# KiCad board AnalogFNN.kicad_pcb (continued)
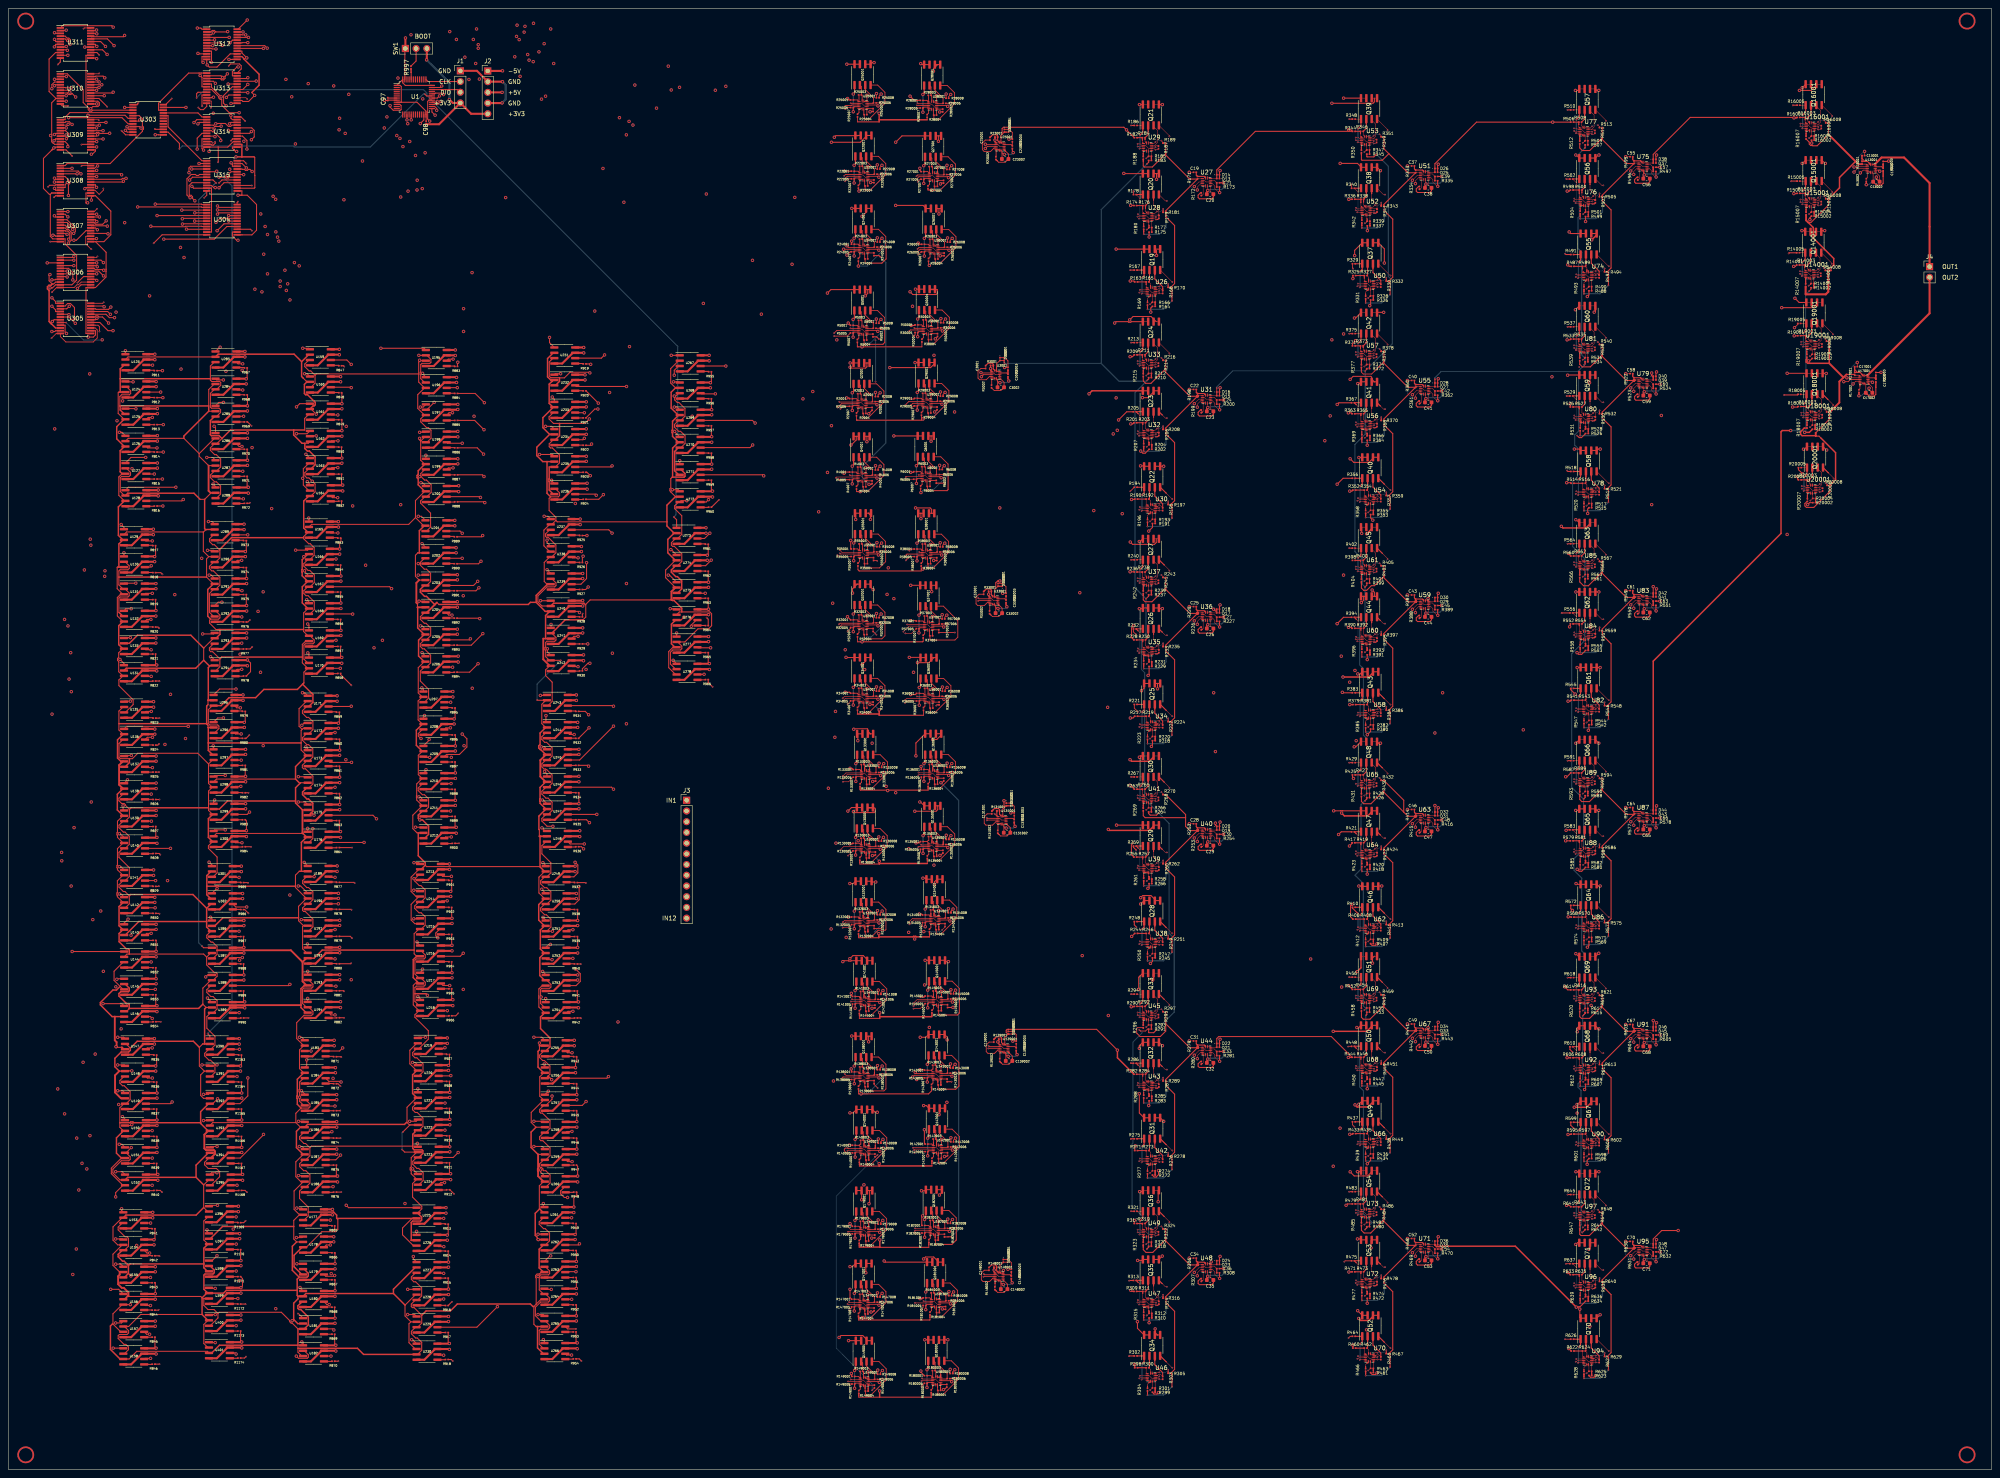
[diagram p0: board, top side]
## Routing (per net, layer and track width the routed paths; a pad name or vN(x,y) marks a point on that pad's centre or on a via; arc(x,y) is an arc through that point) (continued)
/CS: length 67.4
  Top w0.25: U1.10 92.76,323.75 93.06,323.45 93.06,322.5 92.91,322.35 91.21,322.35 90.44,323.12 v1(90.44,323.46) ; v2(30.81,324.16) 30.62,323.97 30.62,323.68 U303.1
  In2.Cu w0.25: v2(30.81,324.16) 31.24,324.59 56.1,324.59 57.23,323.46 v1(90.44,323.46)
/InNeuron_1/Adder3/SUM_IN: length 180.8
  Top w0.2: R28007.2 217.73,320.09 ; v1(223.66,291.98) 223.18,291.5 R26008.2 ; v1(206.83,326.2) 206.35,325.72 R25008.2 ; v1(223.33,326.1) 222.85,325.62 R28008.2 ; R25007.2 201.23,319.6 ; v1(223.53,309.2) 223.05,308.72 R27008.2 ; R27007.2 217.93,303.44 ; R22008.2 206.55,308.82 v1(207.03,309.3) ; v1(207.03,292) 206.55,291.52 R24008.2 ; R26007.2 218.06,285.56 ; R22007.2 201.43,303.19 ; R24007.2 v1(201.43,285.4)
  Top w0.25: 233.81,315.78 R23001.1 233.81,315.78 ; 233.81,315.78 v1(233.81,315.28) 233.81,314.87 234.05,314.62 ; v1(218.71,303.44) 217.93,303.44 ; v1(201.58,303.19) 201.43,303.19 ; v1(218.25,285.56) 218.06,285.56 ; 234.05,314.62 234.08,314.62 ; 234.05,314.62 U23001.1 ; 206.36,319.6 201.23,319.6
  Top w0.35: 206.36,320.09 v1(206.36,321.64) ; 206.36,320.09 217.73,320.09 ; 206.36,320.09 206.36,319.6
  In1.Cu w0.25: v1(223.66,291.98) 224.17,292.48 224.17,308.56 v1(223.53,309.2) 223.98,309.65 223.98,325.45 v1(223.33,326.1)
  In2.Cu w0.25: v1(233.81,315.28) 233.81,314.7 228.31,309.2 v1(223.53,309.2) 222.59,308.26 216.48,308.26 216.24,308.02 215.76,308.02 215.52,308.26 208.07,308.26 v1(207.03,309.3)
  In3.Cu w0.25: v1(207.03,309.3) 207.46,309.73 207.46,325.57 v1(206.83,326.2)
  In4.Cu w0.25: v1(207.03,292) 207.99,291.04 215.01,291.04 215.05,291.08 215.39,291.42 215.86,291.42 216.24,291.04 222.73,291.04 v1(223.66,291.98)
  Bottom w0.2: 224.36,289.57 221.14,286.35 ; 207.73,306.9 204.5,303.68 ; v1(206.83,326.2) 207.53,325.5 ; v1(223.66,291.98) 224.36,291.27 ; v1(223.53,309.2) 224.23,308.5 ; 224.23,306.8 221.18,303.76 ; 207.53,323.8 205.78,322.06 ; v1(207.03,292) 207.73,291.3 207.73,289.6 203.53,285.4 v1(201.43,285.4) ; v1(207.03,309.3) 207.73,308.6
  Bottom w0.25: v1(206.36,321.64) 206.2,321.64 205.78,322.06 ; v1(218.25,285.56) 219.05,286.35 221.14,286.35 ; 224.36,289.57 224.36,291.27 ; 224.23,308.5 224.23,306.8 ; 207.53,325.5 207.53,323.8 ; 207.73,308.6 207.73,306.9 ; 221.18,303.76 219.03,303.76 v1(218.71,303.44) ; 204.5,303.68 202.07,303.68 v1(201.58,303.19)
/InNeuron_1/OUT: length 305.1
  Top w0.2: U23001.12 235.38,314.6 U23001.13 235.23,316.38 D23001.2 D23002.1
  Top w0.25: R182.1 v1(264.98,317.7) 264.36,318.32 235.81,318.32 235.5,318.01 235.5,316.65 ; v1(265.79,162.3) 265.89,162.3 R263.1 ; 235.3,314.68 U23001.13 ; v1(265.84,263.92) 266.41,263.92 R209.1 ; v1(265.84,212.9) 266.79,212.9 ; v1(266.1,109.75) 266.74,109.75 R290.1 ; 236.53,317.18 D23001.2 ; 266.83,58.35 v1(266.83,59.09)
  In1.Cu w0.25: v1(265.84,212.9) 264.99,213.74 264.99,263.08 v1(265.84,263.92) ; v1(266.1,109.75) 266.71,109.15 266.71,77.22 266.48,76.99 266.48,76.52 266.83,76.17 v1(266.83,59.09)
  In3.Cu w0.25: 265.52,162.3 265.24,162.57 265.24,212.3 v1(265.84,212.9)
  In3.Cu w0.35: 265.52,162.3 265.59,162.3 ; 265.59,162.3 v1(265.79,162.3) ; 265.59,162.3 265.59,126.7 265.58,126.69 265.58,126.17 265.59,126.16 265.59,110.27 v1(266.1,109.75)
  In5.Cu w0.25: v1(264.98,317.7) 264.98,264.77 v1(265.84,263.92)
/InNeuron_2/Adder3/SUM_IN: length 185.5
  Top w0.2: v1(206.59,255.35) 206.11,254.87 R2008.2 ; R30008.2 221.61,272.37 v1(222.09,272.85) ; R5007.2 201.19,266.15 ; R2007.2 200.99,248.75 ; v1(206.79,272.75) 206.31,272.27 R5008.2 ; v1(206.59,237.95) 206.11,237.47 R4008.2 ; 216.39,248.85 R29007.2 ; R30007.2 216.49,266.25 ; R4007.2 200.99,231.92 ; v1(221.99,255.45) 221.51,254.97 R29008.2 ; R6007.2 216.19,231.7 ; R6008.2 221.31,237.57 v1(221.79,238.05)
  Top w0.25: 201.19,266.43 201.37,266.25 v1(202.3,266.25) 216.49,266.25 ; v1(216.26,231.7) 216.19,231.7 ; v1(201.87,231.92) 200.99,231.92 ; v1(216.74,249.13) 216.51,249.36 216.39,249.36 ; 232.77,261.63 R3001.1 232.77,261.63 ; 232.77,261.63 v1(232.77,261.06) 232.77,260.72 233.01,260.48 233.04,260.48 U3001.1 ; 216.39,248.85 201.16,248.85 200.99,249.03
  In1.Cu w0.25: v1(221.79,238.05) 220.6,239.24 220.6,254.06 v1(221.99,255.45) ; v2(205.5,267.8) 205.33,267.97 205.33,271.29 v1(206.79,272.75) ; v2(205.5,258) 205.41,257.91 205.41,256.53 v1(206.59,255.35)
  In2.Cu w0.25: v1(206.59,255.35) 207.42,254.52 221.06,254.52 v1(221.99,255.45) 227.86,255.45 232.77,260.36 v1(232.77,261.06)
  In4.Cu w0.25: v1(206.79,272.75) 207.62,271.92 221.16,271.92 v1(222.09,272.85) ; v1(206.59,237.95) 207.42,237.12 220.86,237.12 v1(221.79,238.05)
  Bottom w0.2: v1(206.59,237.95) 207.29,237.25 ; 207.49,270.35 204.26,267.12 ; 222.49,235.65 219.26,232.43 ; 207.29,235.55 204.06,232.32 ; 222.69,253.05 219.47,249.82 ; v1(221.79,238.05) 222.49,237.35 ; v1(221.99,255.45) 222.69,254.75 ; v1(206.79,272.75) 207.49,272.05
  Bottom w0.25: v1(216.26,231.7) 216.99,232.43 219.26,232.43 ; 207.49,272.05 207.49,270.35 ; v1(216.74,249.13) 217.44,249.82 219.47,249.82 ; v1(201.87,231.92) 202.28,232.32 204.06,232.32 ; 222.49,237.35 222.49,235.65 ; 222.69,254.75 222.69,253.05 ; 204.26,267.12 203.18,267.12 v1(202.3,266.25) ; 207.29,237.25 207.29,235.55 ; v2(205.5,267.8) v2(205.5,258)
/InNeuron_2/OUT: length 322.8
  Top w0.2: D3002.1 D3001.2 234.19,262.23 U3001.13 234.34,260.45 234.94,260.45 ; v2(268,104.3) 268.3,104 269.5,104 269.95,104.45 R291.1
  Top w0.25: R318.1 270.24,52.74 v2(269.8,52.3) ; R264.1 270.24,155.56 270.6,155.2 272.1,155.2 v2(272.6,155.7) ; v2(269.9,258.3) 270.24,258.64 R210.1 ; R291.1 270.24,103.66 270.3,103.6 271.42,103.6 v2(272.1,104.28) ; 234.94,260.45 U3001.12 ; U3001.13 234.19,261.41 234.19,261.42 ; D3002.1 235.99,262.41 v2(236.1,262.3) ; R237.1 270.24,207.14 v2(269.6,206.5) ; R183.1 270.24,310.04 v2(269.8,309.6)
  Bottom w0.2: v2(268,104.3) 268.72,103.58 266.5,101.36 266.5,77.4 266.3,77.2 266.3,62.5 270.2,58.6 270.2,52.7 v2(269.8,52.3)
  Bottom w0.25: 259,262.3 259,298.8 v2(269.8,309.6) ; 259,262.3 263.2,258.1 269.7,258.1 v2(269.9,258.3) 267,255.4 267,209.1 v2(269.6,206.5) 269.6,198.2 268.53,197.13 268.53,189.73 269.27,188.99 269.27,159.03 v2(272.6,155.7) 275.08,153.22 275.08,127.17 276.28,125.97 276.28,108.46 v2(272.1,104.28) ; 259,262.3 v2(236.1,262.3)
/InNeuron_3/Adder3/SUM_IN: length 185.1
  Top w0.2: R37007.2 216.8,196.44 ; v1(222.4,202.62) 221.92,202.15 R37008.2 ; R34007.2 201.23,179.18 ; R32007.2 201.23,196.3 ; R38008.2 221.45,219.22 v1(221.93,219.7) ; R35007.2 201.33,213.4 ; R35008.2 206.45,219.25 v1(206.93,219.72) ; R36007.2 216.86,178.88 ; v1(206.83,202.9) 206.35,202.42 R32008.2 ; v1(222.46,185.47) 221.98,185 R36008.2 ; R38007.2 216.33,213.1 ; R34008.2 206.35,185.02 v1(206.83,185.5)
  Top w0.25: 216.33,213.1 201.63,213.1 201.33,213.4 ; 232.55,206.93 232.31,207.17 v1(232.31,207.59) 232.31,208.08 ; 232.55,206.93 U33001.1 ; 232.55,206.93 232.58,206.93 ; 201.23,196.3 v1(202.3,196.3) 216.66,196.3 216.8,196.44 ; 232.31,208.08 R33001.1 232.31,208.08 ; v1(216.71,213.55) 216.33,213.55 ; 216.86,178.88 206.36,178.88
  Top w0.35: 206.36,179.18 v1(206.36,180.16) ; 206.36,179.18 206.36,178.88 ; 206.36,179.18 201.23,179.18
  In1.Cu w0.25: v1(206.93,219.72) 207.58,219.08 207.58,203.65 v1(206.83,202.9)
  In2.Cu w0.25: v1(206.83,185.5) 207.79,184.54 221.53,184.54 v1(222.46,185.47) ; v1(206.83,202.9) 208.08,201.65 213.32,201.65 213.56,201.89 214.04,201.89 214.28,201.65 221.42,201.65 v1(222.4,202.62) 227.34,202.62 v1(232.31,207.59)
  In4.Cu w0.25: v1(221.93,219.7) 220.99,218.76 214.46,218.76 213.5,219.72 v1(206.93,219.72)
  In5.Cu w0.25: v1(222.46,185.47) 223.08,186.09 223.08,201.94 v1(222.4,202.62)
  Bottom w0.2: v1(221.93,219.7) 222.63,219 ; 222.63,217.3 219.58,214.26 ; 207.53,200.5 204.48,197.46 ; v1(206.83,202.9) 207.53,202.2 ; v1(206.83,185.5) 207.53,184.8 ; 207.53,183.1 205.47,181.05
  Bottom w0.25: v1(206.36,180.16) 205.47,181.05 ; v1(216.71,213.55) 217.41,214.26 219.58,214.26 ; 207.53,202.2 207.53,200.5 ; 207.53,184.8 207.53,183.1 ; 222.63,219 222.63,217.3 ; v1(202.3,196.3) 203.46,197.46 204.48,197.46
/InNeuron_3/OUT: length 323
  Top w0.2: D33002.1 D33001.2 233.73,208.68 U33001.13 233.88,206.9 U33001.12
  Top w0.25: 233.8,206.97 U33001.13 ; v1(266.2,126.43) 266.22,126.43 R244.1 ; 234,208.95 234,210.3 234.43,210.72 v1(234.96,210.72) ; 235.03,209.48 D33001.2 ; R271.1 266.94,76.63 v1(267.06,76.76) ; R217.1 266.52,178.24 v1(265.89,178.24) ; v1(266.18,230.05) 266.83,230.05 R190.1 ; R298.1 v1(266.94,24.88) ; v1(265.87,281.85) 266.73,281.85 R163.1
  In1.Cu w0.25: v1(266.18,230.05) 265.34,230.88 265.34,248.99 266.5,250.15 266.5,281.23 v1(265.87,281.85) ; v1(267.06,76.76) 267.06,125.57 v1(266.2,126.43) 265.87,126.76 265.87,149.87 266.52,150.52 266.52,177.6 v1(265.89,178.24) ; v1(234.96,210.72) v1(234.96,228.05)
  In2.Cu w0.25: v1(234.96,228.05) 264.19,228.05 v1(266.18,230.05)
  In3.Cu w0.25: v1(266.18,230.05) 266.5,229.72 266.5,201.29 265.89,200.67 v1(265.89,178.24)
  In5.Cu w0.25: v1(267.06,76.76) 267.5,76.32 267.5,58.76 266.94,58.2 v1(266.94,24.88)
/InNeuron_4/Adder3/SUM_IN: length 179.8
  Top w0.2: R134007.2 218.27,126.32 ; 217.77,143.72 R135007.2 ; R132008.2 206.59,131.97 v1(207.07,132.45) ; R130008.2 206.89,149.44 v1(207.37,149.93) ; v1(223.37,150.32) 222.89,149.84 R135008.2 ; R132007.2 201.47,126.12 ; R130007.2 201.77,143.6 ; R134008.2 223.39,132.44 v1(223.87,132.93) ; R136007.2 217.97,161.12 ; 201.84,161.2 R133007.2 ; v1(223.57,167.43) 223.09,166.94 R136008.2 ; R133008.2 206.96,166.92 v1(207.44,167.4) ; v2(233.7,155.53) 234.13,155.09 234.25,155.09
  Top w0.25: 201.84,161.39 R133007.2 ; 234.25,156 R131001.1 234.25,156 ; 234.25,156 234.25,155.09 234.49,154.85 ; 201.84,161.2 201.92,161.12 217.97,161.12 ; 206.96,166.71 R133008.2 ; 234.49,154.85 234.52,154.85 ; 234.49,154.85 U131001.1 234.52,154.82 ; 206.59,131.76 R132008.2 ; 223.09,166.74 223.09,166.73 R136008.2 ; R134008.2 223.39,132.23 223.39,132.24 ; 201.47,126.44 R132007.2 ; 206.89,149.24 206.89,149.23 R130008.2 ; 206.29,126.12 201.47,126.12 ; 217.77,144.32 R135007.2 ; 222.89,149.63 222.89,149.63 R135008.2 ; 218.27,126.92 R134007.2 ; 206.39,143.6 201.77,143.6 ; 217.97,161.42 R136007.2 ; 201.77,143.92 R130007.2
  Top w0.35: 218.27,126.32 215.15,126.32 215.03,126.45 214.51,126.45 214.39,126.32 206.29,126.32 ; 217.77,143.72 206.39,143.72 ; 206.39,143.72 206.39,143.6 ; 206.39,143.72 v1(206.39,144.26) ; 208.38,161.12 v1(208.38,161.02) ; 206.29,126.32 v1(206.29,127.08) ; 206.29,126.32 206.29,126.12
  In1.Cu w0.25: 208.68,161.02 208.68,166.16 v1(207.44,167.4)
  In1.Cu w0.35: 208.68,161.02 v1(208.38,161.02) 207.37,160.01 v1(207.37,149.93)
  In2.Cu w0.25: v1(223.37,150.32) 222.37,149.32 207.97,149.32 v1(207.37,149.93)
  In3.Cu w0.2: v2(233.7,155.53) 233.7,155.07 229.83,151.2 224.25,151.2
  In3.Cu w0.25: v1(223.37,150.32) 224.25,151.2 224.25,166.75 v1(223.57,167.43)
  In5.Cu w0.25: v1(207.07,132.45) 207.07,143.59 v1(206.39,144.26) ; v1(223.87,132.93) 224.03,133.09 224.03,149.66 v1(223.37,150.32)
  Bottom w0.2: v1(207.07,132.45) 207.77,131.75 ; 208.07,147.53 205.6,145.05 ; 207.77,130.05 205.21,127.5 ; v1(207.37,149.93) 208.07,149.22
  Bottom w0.25: 205.21,127.5 205.88,127.5 v1(206.29,127.08) ; 207.77,130.05 207.77,131.75 ; 208.07,147.53 208.07,149.22 ; v1(206.39,144.26) 205.6,145.05
/InNeuron_4/OUT: length 317.9
  Top w0.2: 236.42,154.82 235.82,154.82 U131001.13 235.67,156.6 D131001.2 D131002.1
  Top w0.25: R218.1 271.14,171.74 v1(270.89,171.5) ; v1(270.25,222.56) 271.14,223.45 R191.1 ; 271.14,69.78 271.53,69.39 272.02,69.39 272.57,69.94 v1(272.57,70.9) ; 236.97,157.41 D131001.2 ; 235.94,156.88 v1(235.94,158.61) ; R164.1 270.73,275.45 v1(270.73,274.48) ; 271.14,18.28 271.5,17.92 272.25,17.92 v1(272.57,18.25) ; v1(270.66,120.02) 271.14,120.5 R245.1 ; 235.74,154.9 U131001.13
  In2.Cu w0.25: v1(270.89,171.5) 248.83,171.5 v1(235.94,158.61)
  In3.Cu w0.25: v1(270.25,222.56) 270.98,223.29 270.98,274.23 v1(270.73,274.48) ; v1(272.57,70.9) 271.43,72.05 271.43,115.53 271.75,115.85 271.75,116.32 271.43,116.65 271.43,119.25 v1(270.66,120.02) 271.07,120.44 271.07,171.32 v1(270.89,171.5)
  In3.Cu w0.35: v1(270.89,171.5) 271.01,171.61 271.01,221.8 v1(270.25,222.56) ; v1(272.57,70.9) 271.38,69.71 271.38,33.86 271.14,33.62 271.14,33.1 271.38,32.86 271.38,19.45 v1(272.57,18.25)
/InNeuron_5/Adder3/SUM_IN: length 197.2
  Top w0.2: v1(224.37,96.1) 223.89,95.62 R143008.2 ; R141008.2 206.79,113.12 v1(207.27,113.6) ; 218.77,89.8 R143007.2 ; 201.47,89.1 R138007.2 ; v1(224.47,113.7) 223.99,113.22 R145008.2 ; v1(224.47,78.6) 223.99,78.12 R142008.2 ; 201.67,71.98 R140007.2 ; v1(207.07,95.7) 206.59,95.22 R138008.2 ; 201.67,107 R141007.2 ; R142007.2 218.87,72 ; 218.87,107.4 R145007.2 ; v1(207.27,78.3) 206.79,77.82 R140008.2
  Top w0.25: 206.79,77.61 R140008.2 ; 234.72,101.88 R139001.1 234.72,101.88 ; 234.72,101.88 234.72,101.42 ; 234.72,101.42 234.49,101.42 v1(234.49,101.42) ; 234.72,101.42 234.72,100.97 234.97,100.73 ; 201.47,89.69 R138007.2 ; 223.89,95.41 R143008.2 ; 234.97,100.73 234.99,100.73 ; 234.97,100.73 U139001.1 ; 206.59,95.01 R138008.2 ; 218.87,72.59 R142007.2 ; 206.51,107 201.67,107 ; 223.99,113.01 R145008.2 ; 201.47,89.1 v1(202.07,89.1) 218.07,89.1 218.77,89.8 ; 201.67,72.29 R140007.2 ; 206.79,112.91 R141008.2 ; 206.36,71.98 201.67,71.98 ; 218.87,107.69 R145007.2 ; 218.77,90.09 R143007.2 ; 223.99,77.91 R142008.2 ; 201.67,107.59 R141007.2
  Top w0.35: 206.36,72 v1(206.36,72.55) ; 206.36,72 206.36,71.98 ; 206.36,72 218.87,72 ; 218.87,107.4 206.51,107.4 ; 206.51,107.4 206.51,107 ; 206.51,107.4 v1(206.51,108.34)
  In1.Cu w0.25: v1(207.27,78.3) 207.27,83.9 206.49,84.68 206.49,84.98 206.15,85.31 205.85,85.31 v1(202.07,89.1)
  In2.Cu w0.25: v1(207.27,113.6) 208.1,112.77 223.54,112.77 v1(224.47,113.7)
  In4.Cu w0.25: v1(224.37,96.1) 229.17,96.1 v1(234.49,101.42)
  In5.Cu w0.25: v1(224.37,96.1) 223,94.73 223,80.07 v1(224.47,78.6) ; v1(207.07,95.7) 207.94,96.57 207.94,112.93 v1(207.27,113.6)
  In5.Cu w0.35: v1(224.47,113.7) 223.07,112.3 223.07,102.18 223.11,102.14 223.11,101.62 223.07,101.58 223.07,97.4 v1(224.37,96.1)
  Bottom w0.2: 207.77,93.3 203.57,89.1 ; v1(207.07,95.7) 207.77,95 ; v1(207.27,78.3) 207.97,77.6 ; v1(207.27,113.6) 207.97,112.9 ; 207.97,75.9 205.49,73.43 ; 207.97,111.2 205.8,109.04
  Bottom w0.25: 207.97,75.9 207.97,77.6 ; v1(202.07,89.1) 203.57,89.1 ; v1(206.36,72.55) 205.49,73.43 ; 207.77,93.3 207.77,95 ; 207.97,111.2 207.97,112.9 ; v1(206.51,108.34) 205.8,109.04
/InNeuron_5/OUT: length 312.9
  Top w0.2: D139002.1 D139001.2 236.14,102.48 U139001.13 236.29,100.7 U139001.12
  Top w0.25: 236.22,100.77 U139001.13 ; v1(265.97,299.79) 266.7,299.79 ; R228.1 266.18,197.31 266.18,199.6 v1(266.64,200.06) ; v2(266.55,148.55) 266.15,148.15 266.15,145.84 R255.1 ; v1(262.83,99.46) 257.9,104.39 236.68,104.39 236.48,104.19 236.48,103.68 236.87,103.28 ; v1(266,42.53) 266.28,42.25 R309.1 ; 237.19,103.28 D139001.2 ; R201.1 266.46,247.98 v1(266,247.98)
  Top w0.35: v1(262.83,99.46) 262.83,97.65 R282.1
  In1.Cu w0.25: v1(266,42.53) 262.83,45.7 v1(262.83,99.46)
  In3.Cu w0.25: v1(266,247.98) 266.85,247.12 266.85,200.27 v1(266.64,200.06) 266.64,148.65 v2(266.55,148.55) 266.77,148.33 266.77,126.68 266.78,126.67 266.78,126.19 266.77,126.18 266.77,103.4 v1(262.83,99.46)
  In5.Cu w0.25: v1(265.97,299.79) 266.51,299.25 266.51,248.49 v1(266,247.98)
/InNeuron_6/Adder3/SUM_IN: length 196.7
  Top w0.2: 206.59,40.89 206.59,41.31 v1(207.07,41.8) ; 218.4,36.7 218.4,35.52 ; 218.13,53.88 218.13,52.69 ; 201.63,52.77 201.63,53.68 ; v1(224,42.12) 223.52,41.64 223.52,41.22 ; R180007.2 218.7,17.07 ; 201.53,18.07 201.53,17.17 ; v1(207.13,23.5) 206.65,23.01 206.65,22.6 ; 206.75,58.19 206.75,58.62 v1(207.23,59.1) ; 223.25,58.39 223.25,58.81 v1(223.73,59.3) ; 201.47,36.38 201.47,35.47 ; v1(224.3,23.67) 223.82,23.19 R180008.2
  Top w0.25: R148001.1 233.56,47.77 233.56,47.77 ; 223.52,41.43 223.52,41.43 R181008.2 ; 206.75,58.4 R179008.2 ; 201.47,35.47 218.35,35.47 218.4,35.52 ; 233.56,47.3 233.6,47.3 v1(233.62,47.32) ; 233.56,47.3 233.56,47.77 ; 233.56,47.3 233.56,46.87 233.81,46.62 ; R147007.2 201.47,35.79 201.47,35.79 ; 201.63,53.08 201.63,53.09 R179007.2 ; 218.4,36.11 218.4,36.11 R181007.2 ; 233.56,48 233.56,47.77 ; 218.7,17.66 R180007.2 ; 218.7,17.07 218.6,17.17 201.53,17.17 ; 218.13,53.29 218.13,53.29 R182007.2 ; 218.13,52.69 206.52,52.69 ; 206.65,22.8 R149008.2 ; U148001.1 233.81,46.62 ; 233.81,46.62 233.83,46.62 ; 223.25,58.6 R182008.2 ; 201.53,17.49 201.53,17.49 R149007.2 ; 223.82,22.98 R180008.2 ; 206.59,41.1 R147008.2
  Top w0.35: 206.47,17.17 v1(206.47,18.65) ; 206.52,52.69 206.52,52.77 ; 206.52,52.77 201.63,52.77 ; 206.52,52.77 v1(206.52,54.47) ; 201.47,36.04 v1(202.43,36.04)
  In1.Cu w0.25: v1(224.3,23.67) 224.66,24.04 224.66,41.46 v1(224,42.12)
  In2.Cu w0.25: v1(207.13,23.5) 207.91,22.72 223.34,22.72 v1(224.3,23.67) ; v1(207.23,59.1) 208.03,58.3 222.73,58.3 v1(223.73,59.3) ; v1(207.07,41.8) 207.71,41.15 223.03,41.15 v1(224,42.12)
  In4.Cu w0.25: v1(233.62,47.32) 228.42,42.12 v1(224,42.12)
  In5.Cu w0.25: v1(223.73,59.3) 224.38,58.65 224.38,42.5 v1(224,42.12)
  Bottom w0.2: 207.93,56.69 206.11,54.88 ; v1(207.07,41.8) 207.77,41.1 ; 207.77,39.39 204.72,36.35 ; v1(207.23,59.1) 207.93,58.39 ; 207.83,21.1 205.93,19.19 ; v1(207.13,23.5) 207.83,22.8
  Bottom w0.25: 206.11,54.88 206.11,54.87 v1(206.52,54.47) ; 204.72,36.35 202.74,36.35 v1(202.43,36.04) ; 207.83,21.1 207.83,22.8 ; 207.77,39.39 207.77,41.1 ; v1(206.47,18.65) 205.93,19.19 ; 207.93,56.69 207.93,58.39
/InNeuron_6/OUT: length 319.8
  Top w0.2: 235.78,49.18 234.98,48.38 234.98,46.75 235.13,46.6 235.73,46.6 ; 235.78,49.18 236.78,49.18
  Top w0.25: v1(268.35,241.53) 268.86,241.02 269.41,241.02 R202.1 ; v1(235.82,47.23) 235.73,47.15 235.73,46.6 U148001.12 ; v1(270.34,34.82) R310.1 ; v1(270.34,292.31) R175.1 ; R256.1 270.34,138.11 v1(270.05,137.83) ; R283.1 270.34,86.41 v1(270.25,86.32) ; 235.06,46.67 U148001.13 ; v1(270.1,188.32) 270.34,188.56 R229.1
  In2.Cu w0.25: v1(270.34,34.82) 269.95,34.43 244.3,34.43 235.12,43.61 235.12,46.54 v1(235.82,47.23)
  In3.Cu w0.25: 270.98,85.96 270.98,35.47 v1(270.34,34.82) ; v1(270.25,86.32) 270.62,86.32 270.98,85.96 270.98,85.96 ; 270.05,137.83 v1(270.05,137.83) 270.05,138.3 269.18,139.18 269.18,187.4 v1(270.1,188.32) 270.18,188.4 270.18,221.62 267.55,224.26 267.55,240.72 v1(268.35,241.53)
  In3.Cu w0.35: 270.05,137.83 269.51,137.28 269.51,113.2 270.25,112.46 v1(270.25,86.32)
  In5.Cu w0.25: v1(270.34,292.31) 269.21,291.18 269.21,254.56 269.33,254.44 269.33,253.96 269.21,253.84 269.21,242.38 v1(268.35,241.53)
/L1_IN1: length 318.9
  Top w0.25: R25001.1 199.2,324.8 v1(198.87,325.13) ; R133001.1 199.93,166.28 v1(199.46,166.28) ; R141001.1 199.76,112.48 v1(199.76,112.94) ; v1(199.03,271.89) R5001.1 ; v1(199.63,220.33) 199.63,218.41 R35001.1 ; v1(199.45,58.32) 200.01,57.76
  In1.Cu w0.25: v1(199.76,112.94) 199.1,112.27 199.1,85.07 198.86,84.82 198.86,84.35 199.1,84.1 199.1,78.12 199.93,77.29 199.93,76.66 199.45,76.18 v1(199.45,58.32) ; v1(199.03,271.89) 199.03,267.62 200.62,266.04 200.62,232.55 199.63,231.56 v1(199.63,220.33)
  In2.Cu w0.25: v1(199.46,166.28) 169.39,166.28 161.82,158.72 J3.1
  In3.Cu w0.25: v1(199.46,166.28) 199.4,166.34 199.4,201.97 199.43,202 199.43,202.48 199.4,202.51 199.4,220.1 v1(199.63,220.33)
  In5.Cu w0.25: v1(199.03,271.89) 199.41,272.27 199.41,290.78 198.87,291.32 v1(198.87,325.13) ; v1(199.46,166.28) 199.46,156.46 199.53,156.39 199.53,155.91 199.46,155.85 199.46,150.1 198.36,149 198.36,126.83 198.3,126.77 197.97,126.43 197.97,125.96 198.36,125.56 198.36,114.34 v1(199.76,112.94)
/L1_IN2: length 390.9
  Top w0.2: 205.03,215.6 205.79,215.6 v2(205.9,215.5)
  Top w0.25: v1(204.83,163.19) 204.93,163.28 R133002.1 ; v2(206.3,268.1) 205.77,268.63 R5002.1 ; R179002.1 204.69,54.97 v1(204.6,54.89) ; R25002.1 204.31,322.08 v1(204.22,321.99) ; v1(204.66,109.38) 204.76,109.48 R141002.1
  In1.Cu w0.2: 204.97,214.83 205.23,214.83 v2(205.9,215.5)
  In1.Cu w0.25: v1(204.83,163.19) 205.34,163.69 205.34,178.82 205.1,179.07 205.1,203.43 205.59,203.92 205.59,209.55 204.97,210.17 204.97,231.44 204.78,231.62 204.78,304.78 204.98,304.97 204.98,321.22 v1(204.22,321.99) ; 204.79,266.12 204.79,266.35 206.3,267.86 v2(206.3,268.1)
  In2.Cu w0.25: J3.2 197.82,156.18 v1(204.83,163.19)
  In5.Cu w0.25: v1(204.66,109.38) 204.6,109.33 v1(204.6,54.89) 203.91,54.89 161.82,96.97 161.82,154.11 160.86,155.07 160.72,155.07 J3.2
/L1_IN3: length 319
  Top w0.25: R130001.1 200.04,148.41 v1(199.39,148.41) ; R2001.1 199.19,254.13 v1(198.64,254.13) ; R138001.1 199.85,94.9 v1(199.73,95.01) ; R32001.1 198.87,202.24 v1(198.85,202.24) ; R22001.1 v1(198.1,307.9) ; v1(199.45,42.74) 199.45,40.79 R147001.1
  In1.Cu w0.25: v1(199.45,42.74) 199.93,43.22 199.93,47.8 200.03,47.89 200.03,48.37 199.93,48.47 199.93,57.99 200.03,58.08 200.03,58.56 199.93,58.65 199.93,75.99 200.28,76.34 200.28,77.61 199.73,78.16 199.73,84.07 200.01,84.35 200.01,84.82 199.73,85.1 v1(199.73,95.01)
  In2.Cu w0.25: v1(199.39,148.41) 194.17,153.63 J3.3
  In3.Cu w0.25: v1(199.73,95.01) 199.11,95.63 199.11,113.3 199.69,113.88 199.69,120.61 199.99,120.91 199.99,121.39 199.69,121.69 199.69,138.44 199.99,138.74 199.99,139.21 199.69,139.51 199.69,148.11 v1(199.39,148.41) ; v1(198.85,202.24) 198.85,253.91 v1(198.64,254.13)
  In5.Cu w0.25: v1(198.85,202.24) 201.13,199.96 201.13,173.83 201.54,173.42 201.88,173.08 201.88,172.61 201.48,172.21 201.48,151.62 199.39,149.53 v1(199.39,148.41) ; v1(198.64,254.13) 197.26,255.51 197.26,307.06 v1(198.1,307.9)
/L1_IN4: length 328.1
  Top w0.2: v2(206,90.5) 205.17,91.33 R138002.1 ; 204.93,198.77 v2(205.72,197.98)
  Top w0.25: R2002.1 203.9,250.44 v1(203.9,250.38) ; R147002.1 204.86,37.37 v1(204.43,37.37) ; v1(204.76,145.6) 205.26,145.6 R130002.1 ; v1(204.34,305.22) 205.09,305.22
  In1.Cu w0.25: v1(203.9,250.38) 204.34,250.82 v1(204.34,305.22)
  In2.Cu w0.25: J3.4 195.76,151.09 199.65,147.2 203.16,147.2 v1(204.76,145.6)
  In3.Cu w0.2: 202.55,197.45 205.18,197.45 v2(205.72,197.98)
  In3.Cu w0.25: v1(203.9,250.38) 202.55,249.03 202.55,197.45 201.63,196.53 201.63,173.33 201.88,173.08 201.88,172.61 201.63,172.36 201.63,149.69 201.95,149.36 201.95,148.89 201.79,148.72 201.79,148.57 v1(204.76,145.6)
  In5.Cu w0.2: 205.34,90.36 205.48,90.5 v2(206,90.5)
  In5.Cu w0.25: v1(204.43,37.37) 205.34,38.27 205.34,84.5 205.34,84.5 205.34,84.98 205.34,84.98 205.34,138.74 205.32,138.77 204.98,139.1 204.98,139.58 205.34,139.94 205.34,145.02 v1(204.76,145.6)
/L1_IN5: length 314.6
  Top w0.25: v1(198.31,184.33) 199.38,184.33 R34001.1 ; v1(199.77,22.8) 199.77,22.23 R149001.1 ; R24001.1 199.81,291.28 v1(199.84,291.32) ; v1(198.02,236.26) 198.31,236.55 R4001.1 ; v1(199.02,131.02) 199.82,131.02 ; v1(199.31,76.93) 200.02,76.93
  In1.Cu w0.25: v1(196.11,148.56) 196.11,133.93 v1(199.02,131.02)
  In2.Cu w0.25: J3.5 v1(196.11,148.56)
  In3.Cu w0.25: v1(199.84,291.32) 199.84,288.1 198.02,286.28 v1(198.02,236.26) 197.64,235.88 197.64,185.01 v1(198.31,184.33) ; v1(199.02,131.02) 198.72,130.72 198.72,126.83 198.78,126.77 199.12,126.43 199.12,125.96 198.72,125.56 198.72,77.52 v1(199.31,76.93) 199.77,76.47 199.77,58.81 200.03,58.56 200.03,58.08 199.77,57.82 199.77,48.63 200.03,48.37 200.03,47.89 199.77,47.64 199.77,43.24 200.03,42.98 200.03,42.5 199.77,42.25 v1(199.77,22.8)
  In5.Cu w0.25: v1(198.31,184.33) 198.31,150.75 v1(196.11,148.56)
/L1_IN6: length 341.9
  Top w0.15: v2(205.97,74.63) 205.53,74.18 R140002.1 ; 205.23,19.33 v2(204.7,18.8)
  Top w0.2: R132002.1 206.76,128.33 v2(207.38,128.95)
  Top w0.25: R4002.1 204.5,233.64 v1(203.97,233.64) ; v2(206.7,287.5) 206.32,287.88 R24002.1 ; v1(204.17,181.45) 204.86,181.45
  In1.Cu w0.2: v2(205.97,74.63) 206.68,74.63 207.97,75.91 207.97,128.36 v2(207.38,128.95) 207.35,128.92 205.9,128.92 202.6,132.23 v2(202.6,144.2)
  In2.Cu w0.2: v2(202.6,144.2) 202.45,144.35 202.45,144.95
  In2.Cu w0.25: v1(201.38,149.13) 202.18,149.13 205.46,145.85 205.46,145.33 205.08,144.95 162.89,144.95 161.82,146.01 J3.6
  In5.Cu w0.25: v1(201.38,149.13) 202.73,150.48 202.73,182.89
  In5.Cu w0.35: 202.73,182.89 201.66,183.96 201.66,203.59 202.86,204.79 202.86,232.53 v1(203.97,233.64) ; 202.73,181.45 v1(204.17,181.45)
  Bottom w0.15: v2(205.97,74.63) 196.19,64.84 196.19,28.79 204.7,20.28 v2(204.7,18.8)
  Bottom w0.25: v1(203.97,233.64) 202.4,235.2 202.4,237.89 207.94,243.43 207.94,286.26 v2(206.7,287.5)
/L1_IN7: length 336.9
  Top w0.25: R145001.1 216.99,112.04 v2(216.1,112.04) ; v1(213.68,325.69) 214.67,324.7 R28001.1 ; R30001.1 214.74,271.32 v1(213.93,271.32) ; R136001.1 216.35,166.67 v1(216.29,166.73) ; 216.46,57.95 216.46,59.96 v1(216.66,60.16) ; R38001.1 213.9,218.3 v2(213.52,217.92)
  In1.Cu w0.25: v1(213.93,271.32) 213.93,255.4 214.56,254.76 214.56,232.85 213.52,231.8 v2(213.52,217.92)
  In2.Cu w0.25: J3.7 204.72,143.47 208.48,147.23 v1(213.39,147.23)
  In3.Cu w0.25: v1(216.29,166.73) 214.44,164.88 214.44,156.56 214.23,156.36 214.23,155.88 214.44,155.68 214.44,126.3 214.19,126.06 214.19,125.58 214.44,125.34 214.44,113.7 v2(216.1,112.04)
  In3.Cu w0.35: v2(213.52,217.92) 213.52,211.65 214.49,210.69 214.49,201.04 213.15,199.7 213.15,193.14 212.87,192.87 212.87,192.35 213.15,192.08 213.15,169.88 v1(216.29,166.73) ; 214.44,147.23 v1(213.39,147.23)